# Altium PCB FMC_ADC_250M_16B_4ch_pcb.PcbDoc (part 4 of 8)
Units mm, origin at the board's own origin, x right, y up, seen from the top; angles counter-clockwise.
Board outline 76.75 x 69 mm, 8 copper layers (Top Layer, GND(SMAGND), L3, GND, L5, GND (Plane2), Power, Bottom Layer), stack 1.363 mm thick; 374 components, 427 nets, 2157 pads, 1340 vias.
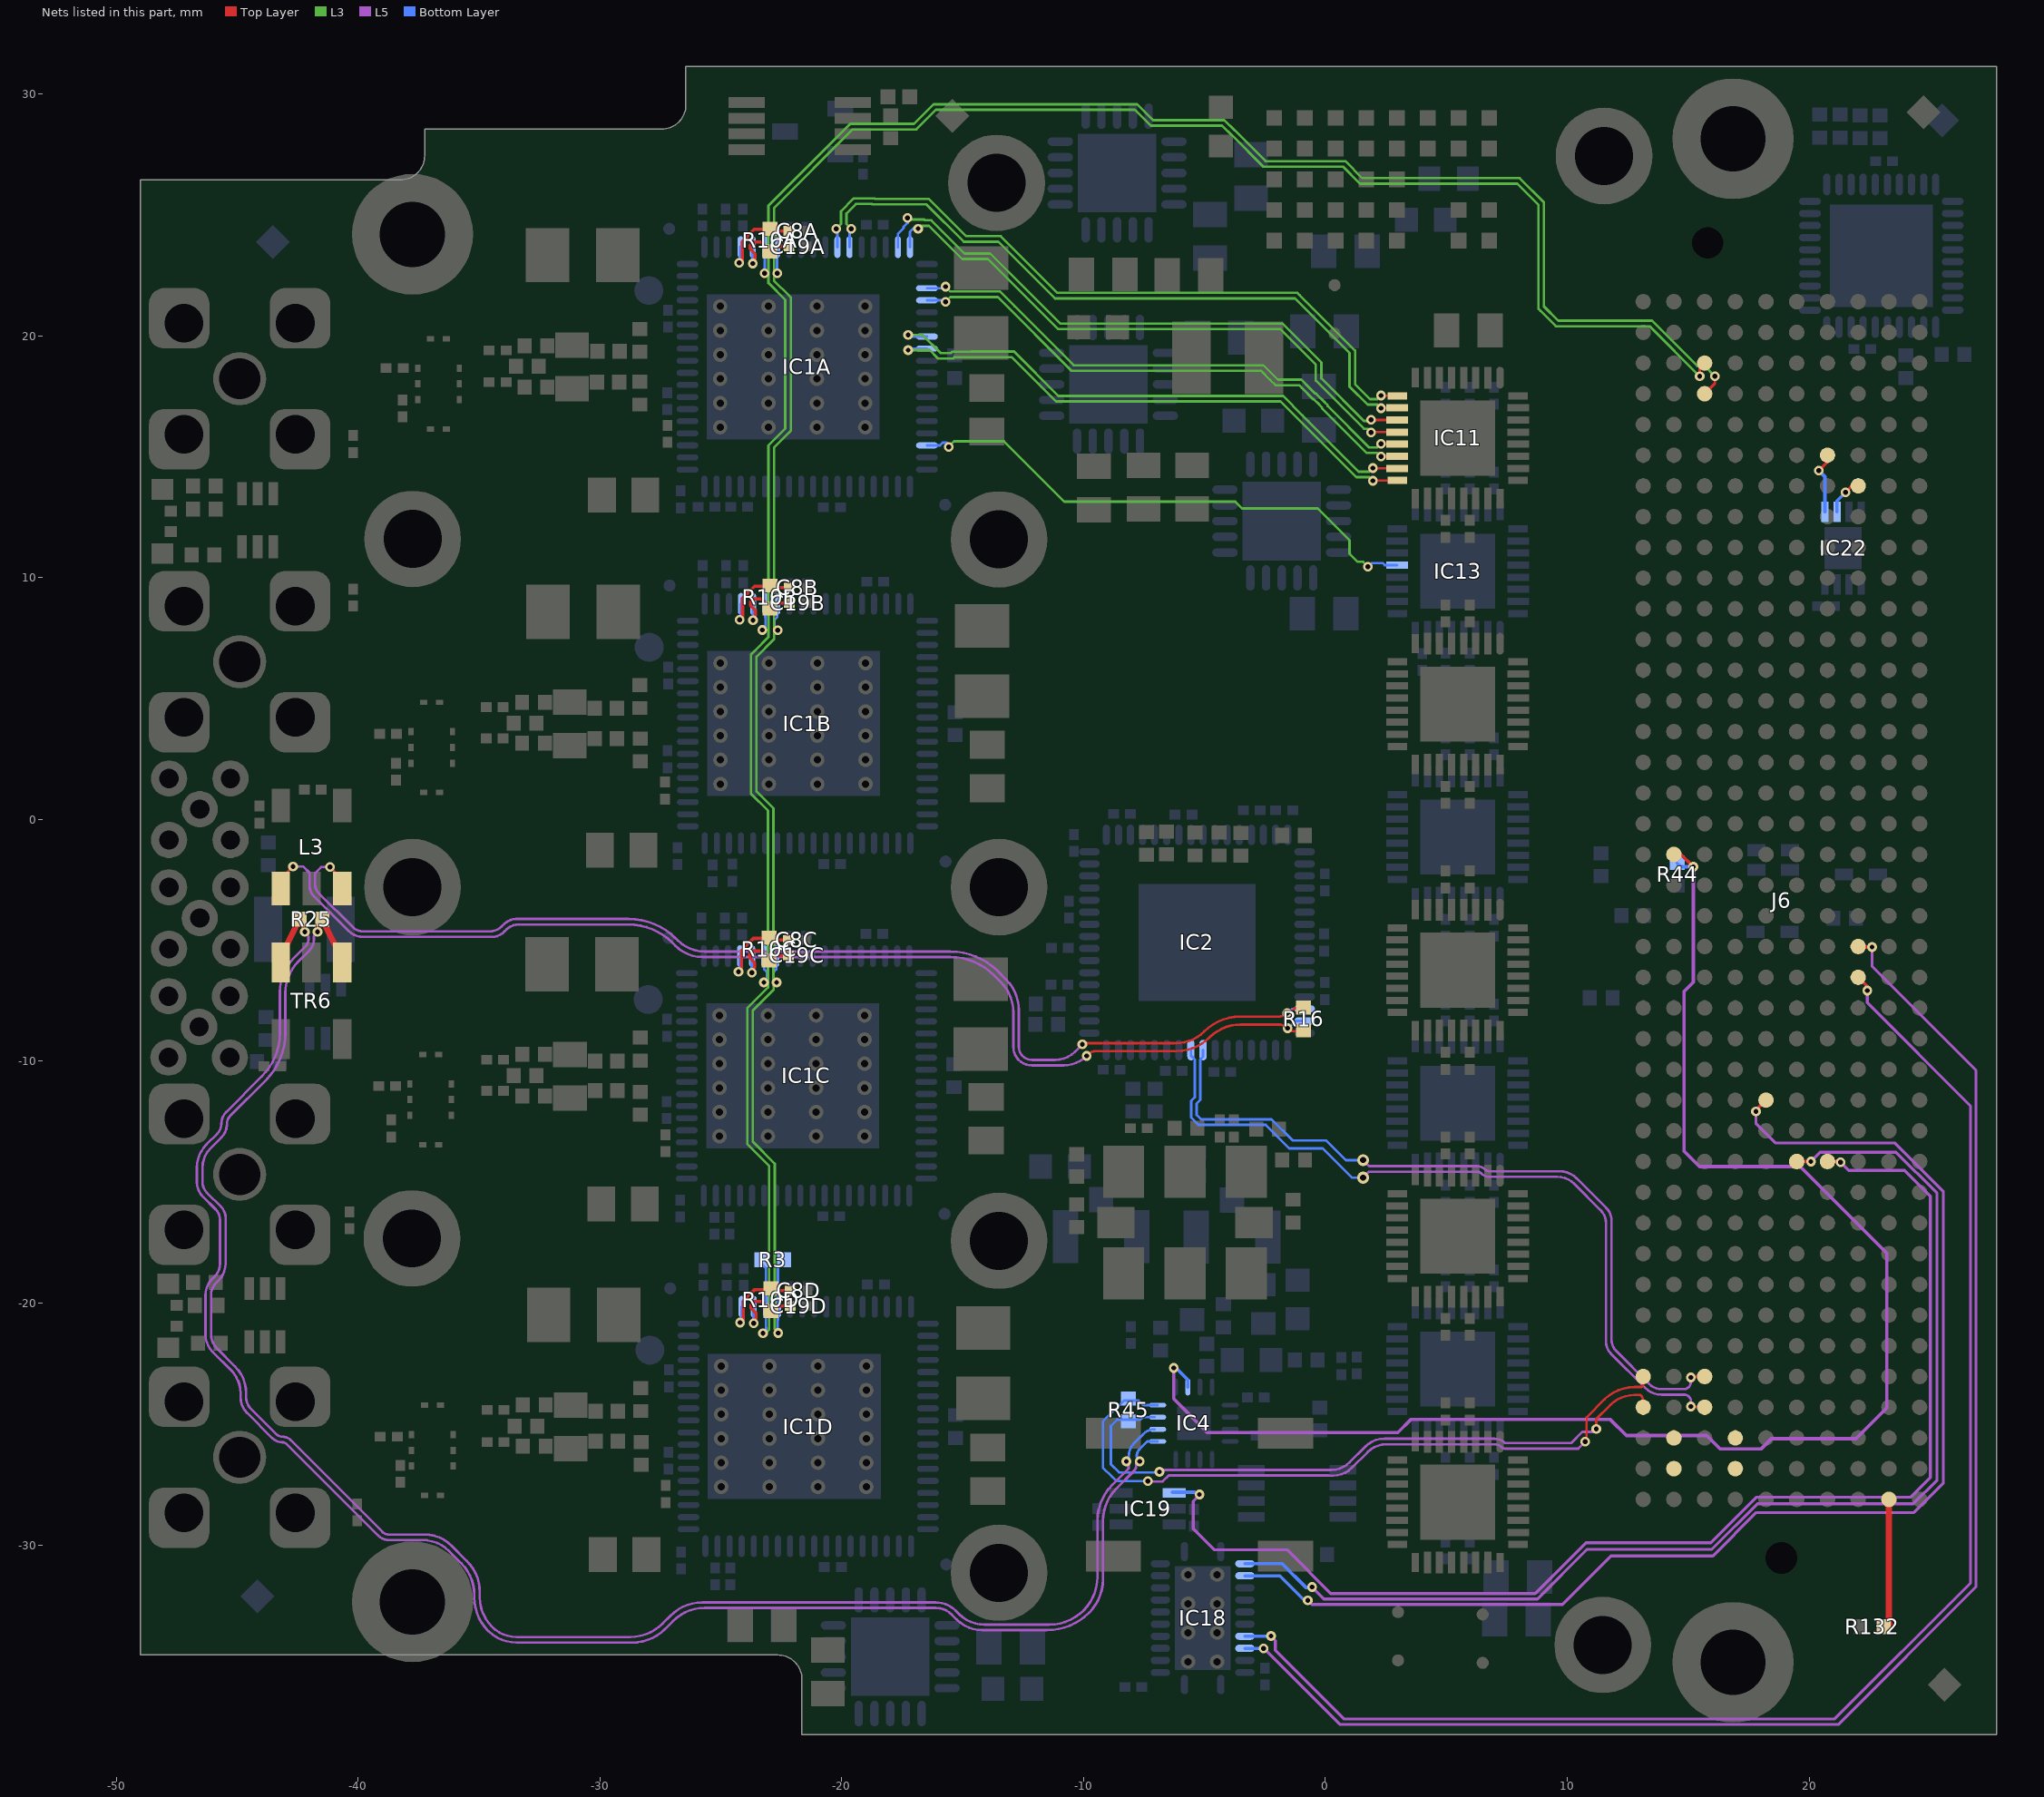
[diagram p10: the nets of this part, all layers, seen from the top]

## Via types
v1: diameter 0.4, hole 0.2, Top Layer to Bottom Layer, tented both sides, 961 vias
v2: diameter 0.5, hole 0.2, Top Layer to Bottom Layer, tented both sides, 351 vias
v3: diameter 0.4, hole 0.2, Top Layer to Bottom Layer, 13 vias
v4: diameter 0.5, hole 0.25, Top Layer to Bottom Layer, tented both sides, 8 vias
v5: diameter 0.6, hole 0.3, Top Layer to Bottom Layer, tented both sides, 7 vias

## Nets (pads, with @x,y where several pads share a name; then routed paths per layer and width w, separated by ;. In a path a pad name is that pad's centre, name@x,y a point inside that pad or via, vN(x,y) a via of type N, cw(c..) or ccw(c..) an arc to the next point about the centre after c; other vN are vias at no path point) (continued)
ADC_DATA3.D6_P: IC1A.52 IC13.13 | length 22.3
  L3 w0.102: v1(-15.578,15.407) -15.35,15.635 -13.289,15.635 -10.8,13.146 -3.721,13.146 -3.442,12.867 -0.312,12.867 1.002,11.553 1.002,10.993 1.339,10.656 1.564,10.656 v1(1.764,10.456)
  Bottom Layer w0.102: IC1A.52@-16.475,15.471 -15.934,15.471 -15.824,15.581 -15.654,15.581 -15.578,15.505 v1(-15.578,15.407) ; v1(1.764,10.456) 1.913,10.605 2.371,10.605 2.455,10.521 IC13.13@2.971,10.521
ADC_DATA3.D8_N: IC1A.43 IC11.15 | length 23.5
  Top Layer w0.102: v1(1.967,14.534) 1.981,14.521 IC11.15@2.971,14.521
  L3 w0.102: v1(-17.255,20.034) -16.656,20.034 -15.909,19.288 -15.487,19.288 -15.431,19.344 -14.65,19.344 -14.642,19.352 -12.875,19.352 -12.867,19.344 -11.038,17.515 -1.748,17.515 -0.945,16.711 -0.945,16.705 -0.708,16.468 -0.703,16.468 -0.703,16.463 1.375,14.385 1.818,14.385 v1(1.967,14.534)
  Bottom Layer w0.102: v1(-17.255,20.034) -17.191,19.971 IC1A.43@-16.475,19.971
ADC_DATA3.D8_P: IC1A.44 IC11.16 | length 23.3
  Top Layer w0.102: v1(1.967,14.007) 1.981,14.021 IC11.16@2.971,14.021
  L3 w0.102: v1(-17.255,19.407) -17.251,19.411 -16.356,19.411 -16.06,19.115 -16.004,19.059 -15.393,19.059 -15.337,19.115 -14.556,19.115 -14.547,19.124 -12.97,19.124 -11.132,17.286 -1.85,17.286 1.28,14.156 1.818,14.156 v1(1.967,14.007)
  Bottom Layer w0.102: v1(-17.255,19.407) -17.191,19.471 IC1A.44@-16.475,19.471
ADC_DATA3.D10_N: IC1A.39 IC11.13 | length 22.2
  Top Layer w0.102: v1(2.297,15.534) 2.311,15.521 IC11.13@2.971,15.521
  L3 w0.102: v1(-15.705,22.034) -15.506,21.835 -14.855,21.835 -14.853,21.833 -13.451,21.833 -12.841,21.223 -10.403,18.785 -2.567,18.785 -1.968,18.187 -0.991,18.187 -0.878,18.074 ; -0.83,18.026 -0.417,17.613 -0.387,17.613 -0.017,17.243 -0.017,17.241 0.09,17.133 0.09,17.106 1.811,15.385 2.148,15.385 v1(2.297,15.534)
  Bottom Layer w0.102: IC1A.39@-16.475,21.971 -15.769,21.971 v1(-15.705,22.034)
ADC_DATA3.D10_P: IC1A.40 IC11.14 | length 22.3
  Top Layer w0.102: v1(2.297,15.007) 2.311,15.021 IC11.14@2.971,15.021
  L3 w0.102: v1(-15.705,21.407) -15.506,21.606 -14.949,21.606 -14.948,21.604 -13.545,21.604 -10.497,18.556 -3.066,18.556 -2.662,18.556 -2.279,18.174 -2.063,17.958 -1.085,17.958 -0.972,17.845 -0.512,17.385 -0.482,17.385 -0.246,17.149 -0.246,17.146 -0.138,17.039 -0.138,17.011 1.716,15.156 2.148,15.156 v1(2.297,15.007)
  Bottom Layer w0.102: IC1A.40@-16.475,21.471 -15.769,21.471 v1(-15.705,21.407)
ADC_DATA3.D12_N: IC1A.35 IC11.11 | length 25.5
  Top Layer w0.102: v1(1.891,16.534) 1.904,16.521 IC11.11@2.971,16.521
  L3 w0.102: v1(-17.282,24.877) -17.216,24.81 -16.581,24.81 -16.55,24.779 -16.296,24.779 -14.924,23.408 -13.857,23.408 -10.954,20.504 -1.766,20.504 -0.167,18.905 -0.167,18.239 1.588,16.485 v1@1.854,16.485
  Bottom Layer w0.102: IC1A.35@-17.675,23.671 -17.675,24.212 -17.436,24.452 -17.436,24.513 -17.266,24.683 -17.266,24.86 v1(-17.282,24.877)
ADC_DATA3.D12_P: IC1A.36 IC11.12 | length 24.8
  Top Layer w0.102: v1(1.891,16.007) 1.904,16.021 IC11.12@2.971,16.021
  L3 w0.102: v1(-16.838,24.433) -16.72,24.551 -16.39,24.551 -15.019,23.179 -13.952,23.179 -11.048,20.276 -1.861,20.276 -0.395,18.81 -0.395,18.144 1.593,16.156 1.742,16.156 v1(1.891,16.007)
  Bottom Layer w0.102: IC1A.36@-17.175,23.671 -17.175,24.306 -17.032,24.449 -16.854,24.449 v1(-16.838,24.433)
ADC_DATA3.D14_N: IC1A.30 IC11.9 | length 29.1
  Top Layer w0.102: v1(2.297,17.534) 2.311,17.521 IC11.9@2.971,17.521
  L3 w0.102: v1(-20.229,24.424) -20.029,24.624 -20.029,25.153 -19.514,25.668 -19.501,25.682 -18.644,25.682 -18.63,25.668 -16.404,25.668 -14.857,24.122 -13.428,24.122 -11.084,21.778 -10.451,21.778 -9.97,21.778 -1.156,21.778 -1.059,21.681 1.23,19.391 1.23,17.994 1.84,17.385 2.148,17.385 v1(2.297,17.534)
  Bottom Layer w0.102: v1(-20.229,24.424) -20.175,24.369 IC1A.30@-20.175,23.671
ADC_DATA3.D14_P: IC1A.31 IC11.10 | length 28.8
  Top Layer w0.102: v1(2.297,17.007) 2.311,17.021 IC11.10@2.971,17.021
  L3 w0.102: v1(-19.601,24.424) -19.801,24.624 -19.801,25.059 -19.406,25.454 -18.739,25.454 -18.725,25.44 -16.499,25.44 -14.952,23.893 -13.523,23.893 -11.179,21.549 -9.754,21.549 -1.251,21.549 1.002,19.296 1.002,17.9 1.745,17.156 2.148,17.156 v1(2.297,17.007)
  Bottom Layer w0.102: IC1A.31@-19.675,23.671 -19.675,24.35 v1(-19.601,24.424)
ADC_RESETN: IC18.14 J6.e12 | length 49.9
  Top Layer w0.135: J6.e12@19.491,-14.145 v1(20.076,-14.145)
  L5 w0.123: v1(-0.555,-31.742) -0.064,-32.233 5.179,-32.233 5.184,-32.237 8.766,-32.237 10.822,-30.182 15.982,-30.182 17.863,-28.302 24.307,-28.302 25.289,-27.32 25.289,-15.457 23.593,-13.761 20.46,-13.761 v1(20.076,-14.145)
  Bottom Layer w0.135: IC18.14@-3.319,-30.781 -1.782,-30.781 -0.802,-31.761 v1@-0.555,-31.761 ; v1(-0.555,-31.742) v1@-0.44,-31.742
ADC_SCLK: IC18.20 J6.c18 | length 61
  Top Layer w0.135: J6.c18@22.031,-6.525 22.406,-6.9 v1(22.406,-7.075)
  L5 w0.123: v1(-2.249,-33.768) -2.064,-33.953 -2.064,-34.361 0.775,-37.201 21.048,-37.201 26.676,-31.573 26.676,-11.844 22.406,-7.575 v1(22.406,-7.075)
  Bottom Layer w0.135: IC18.20@-3.319,-33.781 -2.263,-33.781 v1(-2.249,-33.768)
ADC_SDI: IC18.21 J6.c19 | length 62.7
  Top Layer w0.135: J6.c19@22.031,-5.255 22.051,-5.275 v1(22.606,-5.275)
  L5 w0.123: v1(-2.56,-34.281) -2.533,-34.281 0.611,-37.425 21.212,-37.425 26.9,-31.737 26.9,-10.375 22.606,-6.081 v1(22.606,-5.275)
  Bottom Layer w0.135: IC18.21@-3.319,-34.281 v1(-2.56,-34.281)
ADC_SDO: IC19.4 J6.d12 | length 52.7
  Top Layer w0.135: J6.d12@20.761,-14.145 21.276,-14.145 v1(21.306,-14.175)
  L5 w0.123: v1@-5.194,-27.927 -5.461,-28.194 -5.461,-29.337 -4.598,-30.2 -1.584,-30.2 0.225,-32.009 5.272,-32.009 5.276,-32.013 8.673,-32.013 10.78,-29.907 15.935,-29.907 17.815,-28.027 24.193,-28.027 25.013,-27.206 25.013,-15.582 23.943,-14.512 21.643,-14.512 v1(21.306,-14.175)
  Bottom Layer w0.135: IC19.4@-6.316,-27.82 -5.403,-27.82 v1@-5.271,-27.953
  other v1: -5.207,-27.915
ADC_SLEEP: IC18.15 J6.f14 | length 53.5
  Top Layer w0.135: v1(17.806,-12.075) 17.806,-12.02 J6.f14@18.221,-11.605
  L5 w0.123: v1(-0.725,-32.294) -0.558,-32.462 9.804,-32.462 11.808,-30.457 16.024,-30.457 17.819,-28.662 24.335,-28.662 25.554,-27.443 25.554,-15.397 23.532,-13.375 18.606,-13.375 17.806,-12.575 v1(17.806,-12.075)
  Bottom Layer w0.135: IC18.15@-3.319,-31.281 -1.882,-31.281 -0.868,-32.294 v1(-0.725,-32.294)
CLK1_M2C_N: J6.g3
CLK1_M2C_P: J6.g2
CLK3_BIDIR_N: J6.j3
CLK3_BIDIR_P: J6.j2
CLK_DIR: J6.b1 R132.2 | length 5.3
  Top Layer w0.254: J6.b1@23.301,-28.115 23.301,-33.27 23.406,-33.375
CLK_SEL: IC4.6 J6.j22 R44.1 | length 64
  Top Layer w0.135: J6.j22@14.411,-1.445 14.704,-1.445 v1(15.215,-1.956)
  L5 w0.135: v1(-6.274,-22.682) -6.274,-23.952 -4.877,-25.349 2.997,-25.349 3.531,-24.816 11.786,-24.816 12.446,-25.476 15.773,-25.476 16.332,-26.035 18.011,-26.035 18.44,-25.606 21.943,-25.606 23.216,-24.333 23.216,-17.932 19.634,-14.351 15.469,-14.351 14.834,-13.716 14.834,-7.112 15.215,-6.731 v1(15.215,-1.956)
  Bottom Layer w0.135: v1(-6.274,-22.682) -6.172,-22.682 -5.69,-23.165 -5.69,-23.216 -5.686,-23.22 IC4.6@-5.686,-23.468 ; R44.1@14.554,-1.811 14.699,-1.956 v1(15.215,-1.956)
CLKCA_N: C19A.2 IC1A.23 R10A.2 | length 3.4
  Top Layer w0.135: v1@-23.681,23.095 -23.579,23.196 -23.579,23.399 -23.782,23.603 -23.782,23.755 -23.655,23.882 -23.343,23.882 -22.97,23.508 -22.774,23.704 C19A.2@-22.177,23.704
  Bottom Layer w0.135: v1(-23.681,22.993) -23.675,22.999 IC1A.23@-23.675,23.671
CLKCA_P: C8A.2 IC1A.22 R10A.1 | length 3.8
  Top Layer w0.135: v1(-24.24,23.018) -24.24,22.993 -24.113,23.12 -24.113,23.907 -23.618,24.402 -22.976,24.402 R10A.1@-22.97,24.408 ; R10A.1@-23.078,24.339 C8A.2@-22.304,24.339
  Bottom Layer w0.135: v1(-24.24,23.018) -24.214,23.018 -24.175,23.058 IC1A.22@-24.175,23.671
CLKCB_N: C19B.2 IC1B.23 R10B.2 | length 3.4
  Top Layer w0.135: v1@-23.667,8.341 -23.565,8.442 -23.565,8.645 -23.768,8.849 -23.768,9.001 -23.641,9.128 -23.329,9.128 -22.955,8.754 -22.759,8.95 C19B.2@-22.162,8.95
  Bottom Layer w0.135: v1(-23.667,8.239) -23.661,8.245 IC1B.23@-23.661,8.917
CLKCB_P: C8B.2 IC1B.22 R10B.1 | length 3.8
  Top Layer w0.135: v1(-24.225,8.264) -24.225,8.239 -24.098,8.366 -24.098,9.153 -23.604,9.648 -22.962,9.648 R10B.1@-22.955,9.654 ; R10B.1@-23.064,9.585 C8B.2@-22.289,9.585
  Bottom Layer w0.135: v1(-24.225,8.264) -24.2,8.264 -24.161,8.304 IC1B.22@-24.161,8.917
CLKCC_N: C19C.2 IC1C.23 R10C.2 | length 3.4
  Top Layer w0.135: v1@-23.709,-6.226 -23.608,-6.125 -23.608,-5.921 -23.811,-5.718 -23.811,-5.566 -23.684,-5.439 -23.372,-5.439 -22.998,-5.813 -22.802,-5.617 C19C.2@-22.205,-5.617
  Bottom Layer w0.135: v1(-23.709,-6.328) -23.703,-6.322 IC1C.23@-23.703,-5.65
CLKCC_P: C8C.2 IC1C.22 R10C.1 | length 3.8
  Top Layer w0.135: v1(-24.268,-6.302) -24.268,-6.328 -24.141,-6.201 -24.141,-5.413 -23.646,-4.919 -23.004,-4.919 R10C.1@-22.998,-4.913 ; R10C.1@-23.107,-4.982 C8C.2@-22.332,-4.982
  Bottom Layer w0.135: v1(-24.268,-6.302) -24.243,-6.302 -24.203,-6.263 IC1C.22@-24.203,-5.65
CLKCD_N: C19D.2 IC1D.23 R10D.2 | length 3.4
  Top Layer w0.135: v1@-23.639,-20.726 -23.538,-20.625 -23.538,-20.421 -23.741,-20.218 -23.741,-20.066 -23.614,-19.939 -23.302,-19.939 -22.928,-20.313 -22.732,-20.117 C19D.2@-22.135,-20.117
  Bottom Layer w0.135: v1(-23.639,-20.828) -23.633,-20.822 IC1D.23@-23.633,-20.15
CLKCD_P: C8D.2 IC1D.22 R10D.1 | length 3.8
  Top Layer w0.135: v1(-24.198,-20.802) -24.198,-20.828 -24.071,-20.701 -24.071,-19.913 -23.609,-19.451 -22.967,-19.451 R10D.1@-22.928,-19.413 ; R10D.1@-23.037,-19.482 C8D.2@-22.262,-19.482
  Bottom Layer w0.135: v1(-24.198,-20.802) -24.173,-20.802 -24.133,-20.763 IC1D.22@-24.133,-20.15
CLKDIVRST_N: IC1A.25 IC1B.25 IC1C.25 IC1D.25 J6.h38 R3.1 | length 102.2
  Top Layer w0.102: v1(15.478,18.325) 15.478,18.671 J6.h38@15.681,18.875
  L3 w0.102: v1@-22.823,-6.734 -22.823,0.465 -23.521,1.163 -23.521,6.729 -22.798,7.452 -22.798,15.379 -22.169,16.008 -22.102,16.074 -22.102,21.589 -22.169,21.656 -22.798,22.285 -22.798,25.287 -19.549,28.537 -16.915,28.537 -16.101,29.35 -7.875,29.35 -7.218,28.693 -4.272,28.693 -3.851,28.273 -3.848,28.273 -2.571,26.996 0.735,26.996 1.435,26.296 7.935,26.296 8.806,25.425 8.806,21.125 8.889,21.042 9.535,20.396 13.406,20.396 v1(15.478,18.325) ; v1@-22.814,-6.734 -22.814,-7.039 -23.675,-7.9 -23.675,-13.327 -22.769,-14.233 -22.769,-21.085 v1(-22.62,-21.234)
  Bottom Layer w0.102: v1@-22.814,-6.683 -22.814,-6.303 -22.703,-6.193 IC1C.25@-22.703,-5.65 ; v1@-22.771,7.883 -22.771,8.264 -22.661,8.374 IC1B.25@-22.661,8.917 ; IC1A.25@-22.675,23.671 -22.675,22.6 v1(-22.661,22.587) ; v1@-22.642,-21.081 -22.642,-20.701 -22.633,-20.693 IC1D.25@-22.633,-20.15 -22.633,-18.515 R3.1@-22.493,-18.375
  other v1: -22.69,-6.734 -22.647,7.833
CLKDIVRST_P: IC1A.24 IC1B.24 IC1C.24 IC1D.24 J6.h37 R3.2 | length 104.4
  Top Layer w0.102: J6.h37@15.681,17.605 16.106,18.03 v1(16.106,18.325)
  L3 w0.102: v1(-23.281,7.838) -23.052,7.838 -23.027,7.812 ; v1(-23.255,-21.245) -23.158,-21.245 -22.998,-21.085 -22.998,-14.327 -23.904,-13.421 -23.904,-7.805 -23.05,-6.952 -23.05,0.368 -23.75,1.068 -23.75,6.823 -23.612,6.962 -23.027,7.547 -23.027,7.812 ; v1(16.106,18.325) 15.686,18.745 15.381,18.745 13.501,20.625 9.63,20.625 9.035,21.22 9.035,25.52 8.03,26.525 1.53,26.525 0.83,27.225 -2.477,27.225 -3.753,28.502 -3.757,28.502 -4.177,28.922 -7.124,28.922 -7.78,29.579 -16.196,29.579 -17.009,28.765 -19.643,28.765 -23.027,25.382 -23.027,22.177 -23.013,22.177 -22.331,21.494 -22.331,16.169 -23.027,15.473 -23.027,7.812
  Bottom Layer w0.102: R3.2@-23.306,-18.375 -23.133,-18.548 IC1D.24@-23.133,-20.15 -23.133,-21.016 -23.125,-21.025 -23.125,-21.234 -23.147,-21.234 -23.158,-21.245 v1(-23.255,-21.245) ; v1(-23.281,7.838) -23.179,7.838 -23.174,7.833 -23.152,7.833 -23.152,8.365 -23.161,8.374 IC1B.24@-23.161,8.917 ; IC1C.24@-23.203,-5.65 -23.203,-6.193 -23.093,-6.303 v1@-23.093,-6.683 ; IC1A.24@-23.175,23.671 -23.175,23.401 -23.175,22.6 v1(-23.188,22.587) v1@-23.166,22.587
  other v1: -23.217,-6.734
E_CLK_N: IC2.15 L3.3 R16.2 | length 48.9
  Top Layer w0.102: L3.3@-43.042,-2.475 -43.042,-2.297 v1(-42.686,-1.941) ; v1@-9.8,-9.705 cw(c-9.5,-10.005) -9.5,-9.58 -6.176,-9.58 ccw(c-6.176,-7.599) -5.699,-9.522 ccw(c-6.176,-7.599) -4.775,-9 cw(c-3.521,-10.254) -3.899,-8.521 cw(c-3.521,-10.254) -3.521,-8.48 -1.927,-8.48 cw(c-1.927,-8.99) -1.736,-8.517 cw(c-1.927,-8.99) v1(-1.567,-8.63) ; v1@-1.549,-8.634 -1.428,-8.755 R16.2@-0.914,-8.755
  L5 w0.102: v1(-42.686,-1.941) -42.267,-1.941 -42,-2.208 -42,-2.739 ccw(c-41.392,-2.739) -41.822,-3.17 -40.378,-4.614 ccw(c-39.794,-4.03) -39.794,-4.856 -34.461,-4.856 ccw(c-34.461,-4.147) -33.961,-4.649 ccw(c-34.461,-4.147) -33.96,-4.648 -33.939,-4.627 -33.858,-4.547 cw(c-33.368,-5.037) -33.368,-4.343 -28.807,-4.343 cw(c-28.807,-6.883) -27.011,-5.087 -26.879,-5.22 ccw(c-25.745,-4.085) -25.745,-5.69 -15.505,-5.69 cw(c-15.505,-8.23) -13.709,-6.434 -13.427,-6.715 cw(c-14.693,-7.98) -12.903,-7.98 -12.903,-9.411 ccw(c-12.154,-9.411) -12.684,-9.941 ccw(c-12.128,-9.385) -12.128,-10.171 -10.831,-10.171 ccw(c-10.831,-8.819) v1(-9.875,-9.775)
  Bottom Layer w0.102: v1(-1.567,-8.63) -1.525,-8.63 -1.23,-8.334 IC2.15@-0.858,-8.334
E_CLK_P: IC2.14 L3.1 R16.1 | length 48.5
  Top Layer w0.102: v1(-41.162,-1.967) -40.91,-2.219 cw(c-41.544,-2.852) L3.1@-40.648,-2.852 ; v1@-9.875,-9.25 -6.176,-9.25 ccw(c-6.176,-7.599) -5.814,-9.21 ccw(c-6.176,-7.599) -5.008,-8.767 cw(c-3.521,-10.254) -3.521,-8.15 -1.935,-8.15 ccw(c-1.935,-7.641) v1(-1.575,-8.001) ; v1@-1.474,-8.001 -1.278,-7.805 R16.1@-0.914,-7.805
  L5 w0.102: v1(-41.162,-1.967) -41.528,-1.967 -41.772,-2.211 -41.772,-2.675 ccw(c-41.236,-2.675) -41.615,-3.054 -40.216,-4.452 ccw(c-39.794,-4.03) -39.794,-4.627 -34.556,-4.627 ccw(c-34.556,-3.918) -34.054,-4.42 -33.953,-4.318 cw(c-33.462,-4.809) -33.462,-4.115 -28.807,-4.115 cw(c-28.807,-6.883) -26.85,-4.926 -26.784,-4.991 ccw(c-25.65,-3.857) -25.65,-5.461 -15.505,-5.461 cw(c-15.505,-8.23) -13.547,-6.272 -13.199,-6.62 cw(c-14.464,-7.886) -12.675,-7.886 -12.675,-9.411 ccw(c-12.154,-9.411) -12.522,-9.779 ccw(c-12.128,-9.385) -12.128,-9.942 -11.175,-9.942 ccw(c-11.175,-8.777) -10.351,-9.601 v1(-10.05,-9.3)
  Bottom Layer w0.102: v1@-1.439,-7.919 -1.355,-7.834 IC2.14@-0.858,-7.834
EXT_CLK_N: IC4.2 R25.1 TR6.3 | length 73.2
  Top Layer w0.254: v3(-41.675,-4.65) -41.675,-4.596 cw(c-41.009,-4.596) R25.1@-41.48,-4.125 TR6.3@-40.674,-5.735
  L5 w0.102: -45.652,-16.028 cw(c-46.079,-16.455) -45.475,-16.455 -45.475,-18.368 cw(c-46.459,-18.368) -45.763,-19.063 -45.868,-19.168 ccw(c-45.369,-19.667) -46.075,-19.667 -46.075,-21.292 ccw(c-45.267,-21.292) -45.838,-21.863 -45.083,-22.618 cw(c-46.19,-23.725) -44.625,-23.725 -44.625,-23.892 ccw(c-43.942,-23.892) -44.425,-24.375 -43.381,-25.419 ccw(c-43.125,-25.163) -43.125,-25.525 cw(c-43.125,-26.008) -42.784,-25.666 -38.991,-29.459 ccw(c-38.725,-29.192) -38.725,-29.569 -37.244,-29.569 cw(c-37.244,-31.144) -36.131,-30.03 ; -45.652,-16.028 -46.244,-15.436 cw(c-45.793,-14.984) -46.431,-14.984 -46.431,-14.402 cw(c-45.295,-14.402) -46.098,-13.598 -45.647,-13.147 ccw(c-46.199,-12.595) -45.422,-12.669 ccw(c-46.199,-12.595) -45.418,-12.595 -45.418,-12.575 cw(c-44.975,-12.575) -45.288,-12.261 -43.813,-10.786 ccw(c-45.771,-8.828) -43.002,-8.828 -43.002,-7.183 cw(c-41.117,-7.183) -42.45,-5.85 -41.998,-5.398 ccw(c-42.423,-4.972) -41.821,-4.972 -41.821,-4.85 cw(c-41.692,-4.85) v3@-41.783,-4.758 ; -36.13,-30.03 -35.498,-30.663 cw(c-36.791,-31.955) -34.963,-31.955 -34.963,-32.162 ccw(c-33.228,-32.162) -34.454,-33.389 ; -34.454,-33.39 ccw(c-33.444,-32.379) -33.444,-33.807 -28.75,-33.807 ccw(c-28.75,-31.897) -27.399,-33.248 -27.07,-32.919 cw(c-25.756,-34.232) -25.756,-32.375 -16.113,-32.375 cw(c-16.113,-33.537) -15.864,-32.402 cw(c-16.113,-33.537) -15.291,-32.715 -15.15,-32.856 ; -15.149,-32.857 ccw(c-14.093,-31.799) -14.093,-33.294 -11.416,-33.294 ccw(c-11.416,-31.292) -10.001,-32.708 ; -10,-32.708 ccw(c-11.392,-31.316) -9.423,-31.316 -9.423,-28.997 cw(c-7.326,-28.997) -8.809,-27.514 -8.151,-26.856 ccw(c-8.197,-26.81) -8.133,-26.822 ccw(c-8.197,-26.81) -8.132,-26.81 -8.132,-26.778 ccw(c-8.465,-26.778) v1(-8.23,-26.543)
  Bottom Layer w0.102: v1@-8.214,-26.527 ccw(c-8.417,-26.325) -8.13,-26.325 cw(c-7.388,-26.325) -7.913,-25.8 -7.526,-25.414 cw(c-7.054,-25.885) IC4.2@-7.054,-25.218
EXT_CLK_P: IC4.1 R25.2 TR6.1 | length 73.4
  Top Layer w0.245: TR6.1@-43.214,-5.735 -42.61,-4.51 -42.421,-4.127 R25.2@-42.42,-4.125
  Top Layer w0.254: R25.2@-42.416,-4.129 cw(c-42.936,-4.65) v3(-42.2,-4.65)
  L5 w0.102: v3(-42.2,-4.65) -42.085,-4.765 cw(c-42.171,-4.85) -42.05,-4.85 -42.05,-4.972 cw(c-42.423,-4.972) -42.159,-5.236 -42.631,-5.708 ccw(c-41.184,-7.155) -43.231,-7.155 -43.231,-8.828 cw(c-45.771,-8.828) -43.975,-10.625 -45.45,-12.1 ccw(c-44.975,-12.575) -45.647,-12.575 cw(c-46.247,-12.575) -45.822,-12.999 -46.26,-13.437 ccw(c-45.295,-14.402) -46.66,-14.402 -46.66,-15 ccw(c-45.818,-15) -46.413,-15.595 -45.883,-16.125 cw(c-46.317,-16.558) -45.704,-16.558 -45.704,-18.368 cw(c-46.459,-18.368) -45.925,-18.902 -46.03,-19.007 ccw(c-45.369,-19.667) -46.304,-19.667 -46.304,-21.292 ccw(c-45.267,-21.292) -46,-22.025 -45.245,-22.78 cw(c-46.19,-23.725) -44.854,-23.725 -44.854,-23.892 ccw(c-43.942,-23.892) -44.587,-24.537 -43.543,-25.581 ccw(c-43.125,-25.163) -43.125,-25.754 cw(c-43.125,-26.008) -42.945,-25.828 -39.153,-29.62 ccw(c-38.725,-29.192) -38.725,-29.798 -37.339,-29.798 cw(c-37.339,-31.373) -36.226,-30.258 -35.727,-30.757 ; -35.726,-30.758 cw(c-37.019,-32.05) -35.191,-32.05 -35.191,-32.162 ccw(c-33.228,-32.162) -34.616,-33.551 ccw(c-33.444,-32.379) -34.585,-33.581 ccw(c-33.444,-32.379) -33.444,-34.036 -28.655,-34.036 ccw(c-28.655,-32.125) -27.304,-33.476 -26.975,-33.147 ; -26.974,-33.146 cw(c-25.662,-34.461) -25.662,-32.603 -16.113,-32.603 cw(c-16.113,-33.537) -15.927,-32.622 cw(c-16.113,-33.537) -15.453,-32.877 -15.245,-33.085 ccw(c-14.187,-32.027) -14.187,-33.523 -11.51,-33.523 ccw(c-11.51,-31.063) -9.771,-32.802 ; -9.771,-32.801 ccw(c-11.163,-31.41) -9.195,-31.41 -9.195,-28.997 cw(c-7.326,-28.997) -8.647,-27.675 -7.92,-26.948 ccw(c-8.159,-26.709) -7.821,-26.709 ; -7.822,-26.694 ccw(c-8.23,-26.675) -7.821,-26.675 v1@-7.821,-26.58
  Bottom Layer w0.102: v1@-7.737,-26.477 cw(c-7.586,-26.325) -7.8,-26.325 cw(c-7.388,-26.325) -7.679,-26.034 -7.382,-25.736 cw(c-7.338,-25.78) -7.338,-25.718 IC4.1@-6.936,-25.718
  other v1: -7.671,-26.543
FMC_CLK_N: IC4.4 J6.k5 R45.2 | length 29.7
  Top Layer w0.102: v1(10.744,-25.73) 10.8,-25.674 10.8,-24.725 11.545,-23.979 cw(c12.776,-25.21) 12.776,-23.47 13.046,-23.47 ccw(c13.046,-23.335) 13.141,-23.43 J6.k5@13.141,-23.035
  L5 w0.102: v1(-7.341,-27.356) -7.32,-27.377 -6.727,-27.377 -6.477,-27.127 0.131,-27.127 0.134,-27.13 0.324,-27.13 ccw(c0.324,-26.035) 1.098,-26.81 1.746,-26.162 cw(c2.526,-26.942) 2.526,-25.839 7.007,-25.839 cw(c7.007,-26.218) 7.275,-25.95 ccw(c7.437,-25.788) 7.437,-26.017 10.457,-26.017 v1(10.744,-25.73)
  Bottom Layer w0.102: v1(-7.341,-27.356) -8.646,-27.356 -8.819,-27.183 -9.2,-26.802 -9.2,-24.897 -8.331,-24.028 -7.729,-24.028 -7.54,-24.218 IC4.4@-6.936,-24.218
FMC_CLK_P: IC4.3 J6.k4 R45.1 | length 27.7
  Top Layer w0.102: v1(11.201,-25.197) 11.201,-24.79 11.779,-24.213 cw(c12.776,-25.21) 12.776,-23.8 13.005,-23.8 cw(c13.005,-23.857) 13.045,-23.816 cw(c12.812,-24.049) 13.141,-24.049 J6.k4@13.141,-24.305
  L5 w0.102: v1@-6.858,-27 -6.76,-26.902 0.229,-26.902 ccw(c0.229,-25.807) 1.003,-26.581 1.651,-25.933 ; 1.652,-25.933 cw(c2.448,-26.731) 2.448,-25.603 6.99,-25.603 cw(c6.99,-26.235) 7.437,-25.788 10.162,-25.788 10.625,-25.325 11.073,-25.325 v1(11.201,-25.197)
  Bottom Layer w0.102: IC4.3@-7.061,-24.714 -7.544,-24.714 -7.645,-24.816 -8.611,-24.816 -8.87,-25.075 -8.87,-26.665 -8.534,-27 v1@-6.858,-27
  other v1: -6.858,-26.975
FPGA_CLK_N: IC2.24 J6.h5 | length 31.9
  Top Layer w0.102: v1@15.146,-23.035 J6.h5@15.681,-23.035
  L5 w0.102: v4(1.561,-14.087) 1.811,-14.337 6.272,-14.337 cw(c6.272,-14.809) 6.606,-14.475 ccw(c6.779,-14.303) 6.779,-14.546 9.677,-14.546 cw(c9.677,-15.571) 10.401,-14.846 11.606,-16.052 cw(c11.055,-16.604) 11.835,-16.604 11.835,-21.532 ccw(c12.461,-21.532) 12.018,-21.975 13.384,-23.34 ccw(c13.906,-22.818) 13.906,-23.557 14.825,-23.557 ccw(c14.825,-23.271) 15.027,-23.473 ccw(c14.835,-23.281) 15.106,-23.281 v1(15.106,-23.075)
  Bottom Layer w0.102: IC2.24@-5.058,-9.534 -5.058,-9.808 -5.175,-9.925 -5.175,-11.594 -5.323,-11.742 -5.323,-12.218 -5.141,-12.4 -2.225,-12.4 -1.355,-13.27 0.029,-13.27 0.846,-14.087 v4(1.561,-14.087)
FPGA_CLK_P: IC2.25 J6.h4 | length 32.4
  Top Layer w0.102: v1(15.106,-24.275) 15.136,-24.305 J6.h4@15.681,-24.305
  L5 w0.102: v4(1.561,-14.815) 1.811,-14.565 6.272,-14.565 cw(c6.272,-14.809) 6.445,-14.637 ccw(c6.779,-14.303) 6.779,-14.775 9.582,-14.775 cw(c9.582,-15.799) 10.306,-15.074 ; 10.306,-15.075 11.378,-16.146 cw(c10.826,-16.698) 11.606,-16.698 11.606,-21.627 ccw(c12.233,-21.627) 11.789,-22.069 ; 11.79,-22.07 13.224,-23.504 ccw(c13.904,-22.823) 13.904,-23.785 14.835,-23.785 cw(c14.835,-24.071) 15.037,-23.869 cw(c14.845,-24.061) v1@15.093,-24.172
  Bottom Layer w0.102: IC2.25@-5.558,-9.534 -5.558,-9.767 -5.4,-9.925 -5.4,-11.488 -5.55,-11.638 -5.55,-12.325 -5.25,-12.625 -2.467,-12.625 -1.492,-13.6 -0.108,-13.6 1.108,-14.815 v4(1.561,-14.815)
GA0: IC22.2 J6.c34 | length 1.6
  Top Layer w0.135: v1(21.506,13.525) 21.776,13.795 J6.c34@22.031,13.795
  Bottom Layer w0.135: IC22.2@21.156,12.725 21.156,13.175 v1(21.506,13.525)
GA1: IC22.1 J6.d35 | length 2.6
  Top Layer w0.135: v1(20.406,14.425) 20.761,14.78 J6.d35@20.761,15.065
  Bottom Layer w0.135: v1(20.406,14.425) 20.656,14.175 IC22.1@20.656,12.725